# Allegro board TNR_REV00_150306.brd (continued)
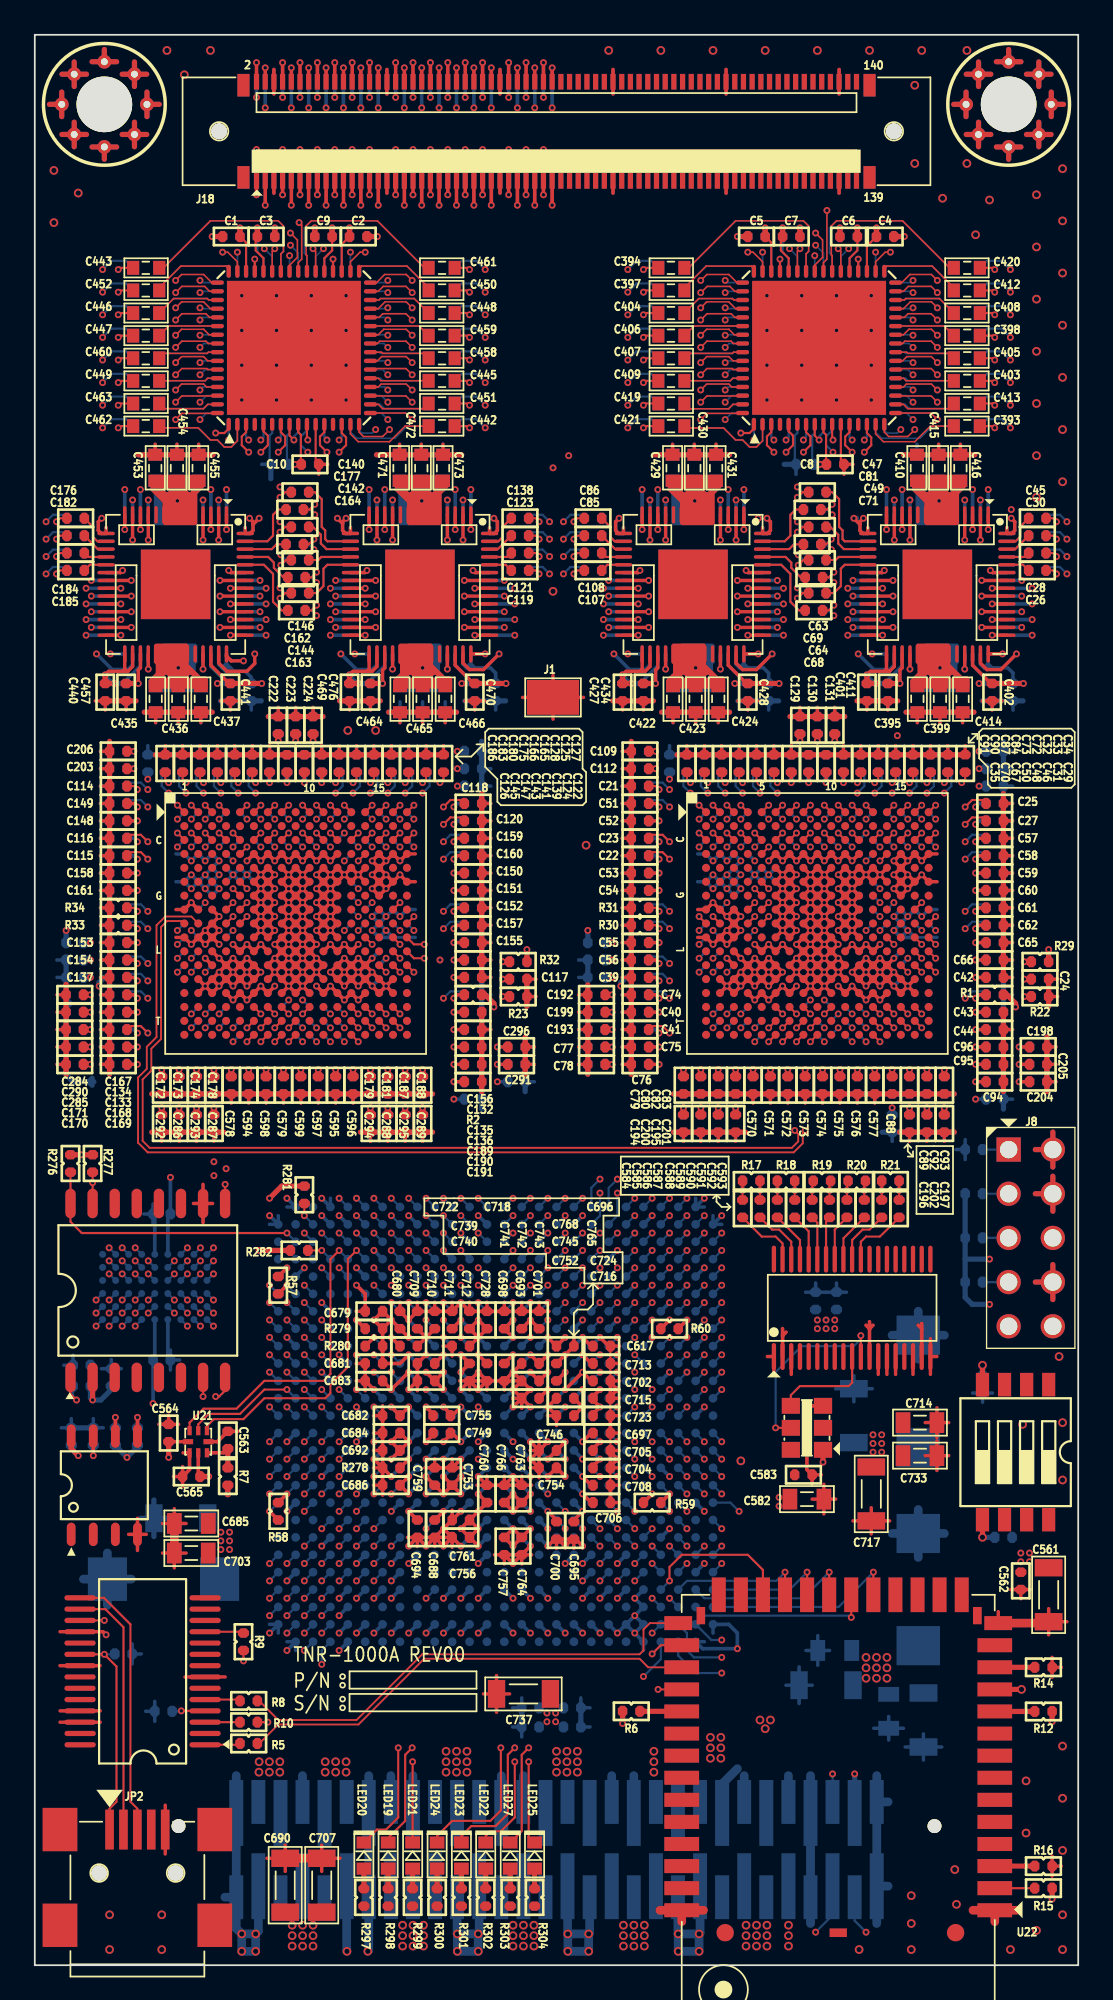
[diagram p0: board, top side]
## Routing (per net, layer and track width the routed paths; a pad name or vN(x,y) marks a point on that pad's centre or on a via; arc(x,y) is an arc through that point) (continued)
+A1P8: length 50.2
  TOP w0.125: C133.1 5.5,54 6.1,54 v1(6.5,53.6) ; C41.1 35.5,54 36.1,54 v1(36.5,53.6)
  TOP w0.2: C137.1 5.7,56.8 v1(5.9,56.6) ; C44.1 v1(54.1,53.8) ; C42.1 v1(54.1,56.8) ; C134.1 v1(5.9,54.8) ; C43.1 v1(54.1,54.8) ; C132.1 v1(24.1,56.8) ; C40.1 v1(35.9,54.8) ; C135.1 v1(24.1,54.8) ; C39.1 35.7,56.8 v1(35.9,56.6) ; C136.1 v1(24.1,53.8)
  TOP w0.21: U6.L11 v1(47,58.7) U6.L12 v1(47.8,58.7) U6.L13 v1(48.6,58.7) ; v1(41.4,58.7) U6.L5 v1(42.2,58.7) U6.L6 v1(43,58.7) U6.L7 ; U8.L7 v1(13,58.7) U8.L6 v1(12.2,58.7) U8.L5 v1(11.4,58.7) ; v1(18.6,58.7) U8.L13 v1(17.8,58.7) U8.L12 v1(17,58.7) U8.L11
  TOP w0.3: v1(26.4,55.1) 26.4,55.3 25.9,55.8 R2.2 25.62,55.8 ; 55.62,55.8 R1.2 55.9,55.8 56.4,55.3 v1(56.4,55.1) ; R29.2 v1(58.3,58.4) ; R32.2 v1(28.3,58.4)
  BOTTOM w0.125: 35.5,58 C319.1 ; 35.5,58 35.42,58 35.23,57.8 ; 35.5,58 36.1,58 v1(36.5,57.6) ; v1(6.5,55.6) 6.1,56 5.5,56 C226.1 ; 5.22,57.8 5.42,58 5.5,58 ; 5.5,58 6.1,58 v1(6.5,57.6) ; 5.5,58 C227.1 ; v1(36.5,55.6) 36.1,56 35.5,56 C318.1
  BOTTOM w0.2: v1(54.1,54.8) C43.1 ; v1(54.1,53.8) C44.1 ; v1(24.1,53.8) C136.1 ; v1(24.1,54.8) C135.1 ; v1(54.1,56.8) C42.1 ; v1(35.9,54.8) C40.1 ; v1(5.9,54.8) C134.1 ; v1(24.1,56.8) C132.1
  BOTTOM w0.21: U8.L11 v1(17,58.7) U8.L12 v1(17.8,58.7) U8.L13 v1(18.6,58.7) ; U6.L11 v1(47,58.7) U6.L12 v1(47.8,58.7) U6.L13 v1(48.6,58.7) ; U8.L7 v1(13,58.7) U8.L6 v1(12.2,58.7) U8.L5 v1(11.4,58.7) ; U6.L7 v1(43,58.7) U6.L6 v1(42.2,58.7) U6.L5 v1(41.4,58.7)
  BOTTOM w0.3: 34.38,56.8 R4.2 34,56.8 33.7,56.5 v1(33.7,56.3) ; R35.2 v1(1.8,59.5) ; R26.2 v1(31.8,59.5) ; 4.38,56.8 R3.2 4,56.8 3.7,56.5 v1(3.7,56.3)
  vias: v2(35.6,12.3) v2(35.6,11.7) v2(35.6,11.1) v2(38.85,13.1) v2(38.85,12.5) v2(38.85,11.9) v2(39.45,13.1) v2(39.45,12.5) v2(39.45,11.9)
+A1P9: length 186.9
  TOP w0.2: C152.1 24.3,60.8 v1(24.1,60.6) ; C56.1 35.7,57.8 v1(35.9,57.6) ; v1(54.1,60.6) 54.3,60.8 C61.1 ; v1(24.1,64.6) 24.3,64.8 C159.1 ; C54.1 v1(35.9,61.8) ; C57.1 54.3,64.8 v1(54.1,64.6) ; v1(5.9,58.8) C153.1 ; v1(54.1,63.6) 54.3,63.8 C58.1 ; C60.1 v1(54.1,61.8) ; v1(54.1,62.8) C59.1 ; v1(54.1,59.6) 54.3,59.8 C62.1 ; C51.1 35.7,66.8 v1(35.9,66.6) ; C154.1 5.7,57.8 v1(5.9,57.6) ; v1(24.1,58.8) C155.1 ; C52.1 v1(35.9,65.8) ; v1(24.1,62.8) C150.1 ; C160.1 24.3,63.8 v1(24.1,63.6) ; C149.1 5.7,66.8 v1(5.9,66.6) ; C151.1 v1(24.1,61.8) ; v1(54.1,58.8) C65.1 ; v1(35.9,62.8) C53.1 ; v1(5.9,62.8) C158.1 ; C148.1 v1(5.9,65.8) ; C157.1 24.3,59.8 v1(24.1,59.6) ; C156.1 v1(24.1,57.8) ; C161.1 v1(5.9,61.8) ; v1(35.9,58.8) C55.1 ; C66.1 v1(54.1,57.8)
  TOP w0.21: v1(43,59.5) U6.K7 v1(43.8,59.5) U6.J7 ; v1(43,59.5) U6.J6 v1(43,60.3) ; v1(43,59.5) U6.J7 ; v1(43,59.5) U6.K6 ; v1(17,60.3) U8.J11 ; v1(17,60.3) U8.J12 v1(17,59.5) ; v1(17,60.3) U8.H12 v1(17,61.1) ; v1(17,60.3) U8.H11 ; U8.J11 v1(16.2,60.3) U8.H11 ; U8.J11 v1(16.2,59.5) U8.K11 v1(17,59.5) ; U8.J11 v1(17,59.5) ; v1(47,60.3) U6.H12 v1(47,61.1) ; v1(47,60.3) U6.J11 ; v1(47,60.3) U6.H11 ; v1(47,60.3) U6.J12 v1(47,59.5) ; U6.F7 v1(43,61.9) ; U6.F7 v1(43,62.7) ; U6.F7 v1(43.8,61.9) U6.G7 ; U6.F7 v1(43.8,62.7) U6.E7 v1(43,62.7) ; v1(43,61.9) U6.G6 v1(43,61.1) ; v1(43,61.9) U6.G7 ; v1(43,61.9) U6.F6 v1(43,62.7) ; U6.J11 v1(46.2,60.3) U6.H11 ; U6.J11 v1(46.2,59.5) U6.K11 v1(47,59.5) ; U6.J11 v1(47,59.5) ; v1(48.6,62.7) U6.F13 v1(47.8,62.7) ; v1(48.6,62.7) U6.E13 v1(47.8,62.7) ; v1(48.6,62.7) U6.E14 ; v1(48.6,62.7) U6.F14 ; v1(17,61.1) U8.H11 ; v1(17,61.1) U8.G12 v1(17,61.9) ; v1(17,61.1) U8.G11 ; U8.H11 v1(16.2,61.1) U8.G11 ; U8.F14 v1(18.6,62.7) ; v1(18.6,62.7) U8.F13 v1(17.8,62.7) ; v1(18.6,62.7) U8.E14 ; v1(18.6,62.7) U8.E13 v1(17.8,62.7) ; v1(13,61.1) U8.G6 v1(13,61.9) ; v1(13,61.1) U8.G7 ; v1(13,61.1) U8.H6 v1(13,60.3) ; v1(13,61.1) U8.H7 ; v1(47,59.5) U6.K12 ; U6.G11 v1(46.2,61.9) U6.F11 ; U6.G11 v1(47,61.9) ; U6.G11 v1(47,61.1) ; U6.G11 v1(46.2,61.1) U6.H11 ; U8.G7 v1(13.8,61.9) U8.F7 ; U8.G7 v1(13,61.9) ; U8.G7 v1(13.8,61.1) U8.H7 ; U6.H7 v1(43.8,60.3) U6.J7 ; U6.H7 v1(43.8,61.1) U6.G7 ; U6.H7 v1(43,60.3) ; U6.H7 v1(43,61.1) ; U6.G7 v1(43,61.1) ; U6.J7 v1(43,60.3) ; v1(13,62.7) U8.E7 v1(13.8,62.7) U8.F7 ; v1(13,62.7) U8.F7 ; v1(13,62.7) U8.F6 v1(13,61.9) ; v1(13,62.7) U8.E6 ; U8.F7 v1(13,61.9) ; v1(17,62.7) U8.F11 ; v1(17,62.7) U8.E11 v1(16.2,62.7) U8.F11 ; v1(17,62.7) U8.E12 v1(17.8,62.7) ; v1(17,62.7) U8.F12 ; U8.F11 v1(16.2,61.9) U8.G11 ; U8.F11 v1(17,61.9) ; U8.G11 v1(17,61.9) ; v1(43,61.1) U6.H6 v1(43,60.3) ; v1(17,59.5) U8.K12 ; v1(47,62.7) U6.E12 v1(47.8,62.7) ; v1(47,62.7) U6.F11 ; v1(47,62.7) U6.F12 ; v1(47,62.7) U6.E11 v1(46.2,62.7) U6.F11 ; v1(13,60.3) U8.J6 v1(13,59.5) ; v1(13,60.3) U8.H7 ; v1(13,60.3) U8.J7 ; U6.H11 v1(47,61.1) ; v1(17.8,62.7) U8.F12 ; v1(47.8,62.7) U6.F12 ; U8.H7 v1(13.8,60.3) U8.J7 ; v1(17,61.9) U8.F12 ; v1(47,61.1) U6.G12 v1(47,61.9) ; U6.F11 v1(47,61.9) ; v1(47,61.9) U6.F12 ; U8.J7 v1(13,59.5) ; U8.J7 v1(13.8,59.5) U8.K7 v1(13,59.5) ; v1(13,59.5) U8.K6 ; v1(43,62.7) U6.E6
  BOTTOM w0.125: C244.1 5.5,60 6.1,60 v1(6.5,59.6) ; v1(36.5,59.6) 36.1,60 35.5,60 C334.1 ; C239.1 5.5,61 6.1,61 v1(6.5,60.6) ; v1(36.5,60.6) 36.1,61 35.5,61 C336.1
  BOTTOM w0.2: C158.1 v1(5.9,62.8) ; C53.1 v1(35.9,62.8) ; v1(35.9,63.6) 35.7,63.8 C333.1 ; v1(35.9,65.8) C52.1 ; v1(54.1,65.6) 54.3,65.8 C342.1 ; C254.1 24.3,66.8 v1(24.1,66.6) ; C335.1 35.7,64.8 v1(35.9,64.6) ; v1(5.9,63.6) 5.7,63.8 C238.1 ; v1(35.9,61.8) C54.1 ; C339.1 54.3,66.8 v1(54.1,66.6) ; v1(24.1,61.8) C151.1 ; C150.1 v1(24.1,62.8) ; C241.1 24.3,65.8 v1(24.1,65.6) ; v1(5.9,65.8) C148.1 ; C245.1 5.7,64.8 v1(5.9,64.6) ; C59.1 v1(54.1,62.8) ; v1(24.1,57.8) C156.1 ; v1(54.1,57.8) C66.1 ; v1(54.1,61.8) C60.1 ; v1(5.9,61.8) C161.1 ; C55.1 v1(35.9,58.8) ; C153.1 v1(5.9,58.8) ; C65.1 v1(54.1,58.8) ; C155.1 v1(24.1,58.8)
  BOTTOM w0.21: v1(17,61.1) U8.G12 v1(17,61.9) ; v1(17,61.1) U8.G11 ; v1(17,61.1) U8.H12 v1(17,60.3) ; v1(17,61.1) U8.H11 ; v1(11.4,62.7) U10.F13 v1(12.2,62.7) ; v1(11.4,62.7) U10.E14 ; v1(11.4,62.7) U10.F14 ; v1(11.4,62.7) U10.E13 v1(12.2,62.7) ; v1(13,60.3) U8.H7 ; v1(13,60.3) U8.J7 ; v1(13,60.3) U8.H6 v1(13,61.1) ; v1(13,60.3) U8.J6 v1(13,59.5) ; U8.H7 v1(13.8,60.3) ; U8.H7 v1(13.8,61.1) U8.G7 ; U8.H7 v1(13,61.1) ; U6.G11 v1(46.2,61.9) U6.F11 ; U6.G11 v1(47,61.1) ; U6.G11 v1(47,61.9) ; U6.G11 v1(46.2,61.1) U6.H11 ; U11.F14 v1(41.4,62.7) ; v1(41.4,62.7) U11.F13 v1(42.2,62.7) ; v1(41.4,62.7) U11.E14 ; v1(41.4,62.7) U11.E13 v1(42.2,62.7) ; v1(13,59.5) U8.K6 ; v1(13,59.5) U8.J7 ; v1(13,59.5) U8.K7 ; v1(17,60.3) U8.J11 ; v1(17,60.3) U8.J12 v1(17,59.5) ; v1(17,60.3) U8.H11 ; U8.J11 v1(17,59.5) ; U8.J11 v1(16.2,59.5) ; U8.J11 v1(16.2,60.3) U8.H11 ; v1(17,59.5) U8.K11 ; v1(17,59.5) U8.K12 ; v1(13,61.9) U8.G6 v1(13,61.1) ; v1(13,61.9) U8.F7 ; v1(13,61.9) U8.G7 ; v1(13,61.9) U8.F6 ; U6.F6 v1(42.2,62.7) ; U6.F6 v1(43,62.7) ; U6.F6 v1(43,61.9) ; v1(42.2,62.7) U6.E6 v1(43,62.7) ; U6.F7 v1(43.8,61.9) U6.G7 ; U6.F7 v1(43,61.9) ; U6.F7 v1(43,62.7) ; U6.F7 v1(43.8,62.7) ; v1(13,62.7) U8.F6 ; v1(13,62.7) U8.F7 ; v1(13,62.7) U8.E6 v1(12.2,62.7) ; v1(13,62.7) U8.E7 ; U8.F6 v1(12.2,62.7) ; U8.F7 v1(13.8,62.7) ; U8.F7 v1(13.8,61.9) U8.G7 ; v1(43,59.5) U6.K7 ; v1(43,59.5) U6.J6 v1(43,60.3) ; v1(43,59.5) U6.K6 ; v1(43,59.5) U6.J7 ; U6.H11 v1(47,61.1) ; U6.H11 v1(46.2,60.3) U6.J11 ; U6.H11 v1(47,60.3) ; v1(47,61.1) U6.G12 v1(47,61.9) ; v1(47,61.1) U6.H12 v1(47,60.3) ; v1(43,60.3) U6.J7 ; v1(43,60.3) U6.H6 v1(43,61.1) ; v1(43,60.3) U6.H7 ; U6.J7 v1(43.8,59.5) ; v1(47,59.5) U6.J12 v1(47,60.3) ; v1(47,59.5) U6.K11 ; v1(47,59.5) U6.J11 ; v1(47,59.5) U6.K12 ; U8.J7 v1(13.8,59.5) ; U6.H7 v1(43.8,60.3) ; U6.H7 v1(43,61.1) ; U6.H7 v1(43.8,61.1) U6.G7 ; v1(17,61.9) U8.F11 ; v1(17,61.9) U8.F12 v1(17,62.7) ; v1(17,61.9) U8.G11 ; U6.G7 v1(43,61.9) ; U6.G7 v1(43,61.1) ; U6.J11 v1(46.2,59.5) ; U6.J11 v1(47,60.3) ; U8.G11 v1(16.2,61.9) U8.F11 ; U8.G11 v1(16.2,61.1) U8.H11 ; U8.F11 v1(17,62.7) ; U8.F11 v1(16.2,62.7) ; v1(43,62.7) U6.E7 ; v1(13,61.1) U8.G7 ; v1(46.2,62.7) U6.F11 ; U6.F11 v1(47,61.9) ; U6.F11 v1(47,62.7) ; v1(43,61.1) U6.G6 v1(43,61.9) ; U8.E12 v1(17,62.7) ; v1(17,62.7) U8.E11 ; v1(47,62.7) U6.F12 v1(47,61.9) ; v1(47,62.7) U6.E12 ; v1(47,62.7) U6.E11
  vias: v2(30,12.3) v2(30,11.7) v2(30,11.1) v2(30.6,12.3) v2(30.6,11.7) v2(30.6,11.1) v2(31.2,12.3) v2(31.2,11.7) v2(31.2,11.1)
+A3P3: length 203.2
  TOP w0.125: C10.1 15.3,86.33 15.3,88 15.15,88.15 U2.9 ; U1.9 45.35,88.15 45.5,88 45.5,86.33 C8.1
  TOP w0.2: 5.1,74.4 5.25,74.4 ; 5.1,74.4 5.05,74.4 ; 5.1,74.4 5.17,74.47 ; 5.25,74.4 5.17,74.47 ; 5.25,74.4 5.35,74.4 5.62,74.67 U15.30 ; 49.05,74.4 49.15,74.4 49.42,74.67 U13.30 ; 49.05,74.4 48.98,74.47 ; 49.05,74.4 48.9,74.4 ; 48.98,74.47 48.9,74.4 ; 48.98,74.47 48.98,74.53 ; 48.9,74.4 48.85,74.4 ; 5.05,74.4 5.17,74.53 ; 5.05,74.4 4.25,74.4 v1(4.05,74.2) ; U13.29 48.98,74.53 ; 48.98,74.53 48.85,74.4 ; 48.85,74.4 48.05,74.4 v1(47.85,74.2) ; C428.1 40.92,73.7 39.88,74.75 U14.40 ; 5.17,74.47 5.17,74.53 ; 34.92,74.47 35,74.4 ; 34.92,74.47 34.85,74.4 ; 34.92,74.47 34.92,74.53 ; 35,74.4 34.85,74.4 ; 35,74.4 35.1,74.4 35.38,74.67 U14.30 ; 19.23,74.47 19.3,74.4 ; 19.23,74.47 19.15,74.4 ; 19.23,74.47 19.23,74.53 ; 19.3,74.4 19.4,74.4 19.68,74.67 19.68,75.4 ; 19.3,74.4 19.15,74.4 ; v1(18.1,74.2) 18.3,74.4 19.1,74.4 ; 24.18,75.4 24.18,74.75 25.23,73.7 C470.1 ; C127.1 v1(15.5,68) ; 19.1,74.4 19.15,74.4 ; 19.1,74.4 19.23,74.53 ; C128.1 v1(13.5,68) ; 34.85,74.4 34.8,74.4 ; C126.1 v1(16.5,68) ; 5.17,74.53 U15.29 ; C125.1 v1(14.5,68) ; C34.1 v1(45.5,68) ; 34.8,74.4 34.92,74.53 ; 34.8,74.4 34,74.4 v1(33.8,74.2) ; C32.1 v1(43.5,68) ; C35.1 v1(46.5,68) ; U15.40 10.12,74.75 11.18,73.7 C441.1 ; 34.92,74.53 34.92,75.4 ; U16.29 19.23,74.53 ; U13.40 53.92,74.75 54.98,73.7 C402.1 ; C33.1 v1(44.5,68)
  TOP w0.21: U6.D12 v1(47,63.5) U6.D11 v1(46.2,63.5) U6.D10 v1(45.4,63.5) U6.D9 v1(44.6,63.5) U6.D8 v1(43.8,63.5) U6.D7 v1(43,63.5) U6.D6 v1(42.2,63.5) ; U8.D12 v1(17,63.5) U8.D11 v1(16.2,63.5) U8.D10 v1(15.4,63.5) U8.D9 v1(14.6,63.5) U8.D8 v1(13.8,63.5) U8.D7 v1(13,63.5) U8.D6 v1(12.2,63.5)
  TOP w0.3: v1(45.15,86.3) C8.1 ; C441.1 v1(13.05,73.7) ; v1(4.05,74.2) C440.1 v1(4.55,73.7) ; v1(14,70.4) C222.1 ; v1(16,70.4) C224.1 ; C130.1 v1(45,70.4) ; v1(14.95,86.3) C10.1 ; C402.1 v1(56.85,73.7) ; v1(18.6,73.7) C469.1 v1(18.1,74.2) ; C470.1 v1(27.1,73.7) ; v1(44,70.4) C129.1 ; C223.1 v1(15,70.4) ; v1(48.35,73.7) C401.1 v1(47.85,74.2) ; v1(46,70.4) C131.1 ; v1(34.3,73.7) C427.1 v1(33.8,74.2) ; C428.1 v1(42.8,73.7) ; 45.33,29.64 v1(45.33,28.93)
  5-PWR w0.3: v1(12.2,63.5) v1(13,63.5) v1(13.8,63.5) v1(14.6,63.5) v1(15.4,63.5) v1(16.2,63.5) v1(17,63.5) ; v1(42.2,63.5) v1(43,63.5) v1(43.8,63.5) v1(44.6,63.5) v1(45.4,63.5) v1(46.2,63.5) v1(47,63.5) ; v1(47.85,74.2) v1(48.35,73.7) ; v1(47.85,74.2) 47.35,73.7 ; v1(47.85,74.2) 47.85,73.65 ; v1(18.1,74.2) v1(18.6,73.7) ; v1(18.1,74.2) C469.1 ; v1(18.1,74.2) 17.6,73.7 ; v1(33.8,74.2) 33.25,73.65 ; v1(33.8,74.2) v1(34.3,73.7) ; v1(33.8,74.2) 33.8,73.5
  6-IN w0.3: v1(13.05,73.7) 14.95,75.6 v1(14.95,86.3) ; 48.85,74.2 51.2,76.55 51.2,82.9 50.7,83.4 49,83.4 47.2,85.2 46.8,85.2 45.7,86.3 v1(45.15,86.3) ; 48.85,74.2 v1(47.85,74.2) v1(48.35,73.7) 48.85,74.2
  6-IN w0.5: 4.05,72.85 v1(4.05,74.2) v1(4.55,73.7) 4.55,72.35 ; 4.05,72.85 4.05,72.45 4.6,71.9 12.9,71.9 C222.1 v1(14,70.4) 14.8,70.4 ; 4.05,72.85 4.55,72.35 ; 14.8,70.4 13.05,72.15 4.75,72.15 4.55,72.35 ; 14.8,70.4 v1(15,70.4) v1(16,70.4)
  BOTTOM w0.125: C15.1 14.5,86.38 14.5,87.95 14.65,88.1 U3.9 ; C20.1 44.7,86.38 44.7,87.95 44.85,88.1 U4.9
  BOTTOM w0.2: U18.30 10.57,74.8 10.78,74.6 ; 40.52,74.6 41,74.6 ; 40.52,74.6 40.33,74.8 U19.30 ; 40.52,74.6 40.75,74.83 40.77,74.83 41,74.6 ; 41,74.6 41.9,74.6 42.2,74.3 C525.1 ; 25.07,74.83 25.05,74.83 24.82,74.6 ; 25.07,74.83 25.3,74.6 ; 25.07,74.83 U17.29 ; 10.78,74.6 11.25,74.6 ; 10.78,74.6 11,74.83 11.03,74.83 ; 10.78,74.6 10.97,74.4 11.45,74.4 ; 11.25,74.6 11.45,74.4 ; 11.25,74.6 11.03,74.83 ; 11.03,74.83 U18.29 ; C511.1 12.45,74.05 12.1,74.4 11.45,74.4 ; U20.29 54.83,74.83 ; 54.83,74.83 55.05,74.6 ; 54.83,74.83 54.8,74.83 54.58,74.6 ; C481.1 26.5,74.3 26.2,74.6 25.3,74.6 ; 55.05,74.6 55.95,74.6 56.25,74.3 C554.1 ; 55.05,74.6 54.58,74.6 ; 25.3,74.6 24.82,74.6 ; 54.58,74.6 54.38,74.8 U20.30 ; 24.82,74.6 24.62,74.8 U17.30 ; U17.40 20.12,74.72 19.3,73.9 C495.1 ; C524.1 35,73.9 35.83,74.72 U19.40 ; 6.08,75.4 6.08,74.72 5.25,73.9 C512.1 ; U20.40 49.88,74.72 49.05,73.9 C553.1
  BOTTOM w0.21: v1(12.2,63.5) U8.D6 v1(13,63.5) U8.D7 v1(13.8,63.5) U8.D8 v1(14.6,63.5) U8.D9 v1(15.4,63.5) U8.D10 v1(16.2,63.5) U8.D11 v1(17,63.5) U8.D12 ; 40.75,74.83 40.77,74.85 U19.29 ; v1(42.2,63.5) U6.D6 v1(43,63.5) U6.D7 v1(43.8,63.5) U6.D8 v1(44.6,63.5) U6.D9 v1(45.4,63.5) U6.D10 v1(46.2,63.5) U6.D11 v1(47,63.5) U6.D12
  BOTTOM w0.3: v1(4.05,74.2) 4.05,74.1 4.45,73.7 v1(4.55,73.7) C512.1 ; C524.1 v1(34.3,73.7) 34.2,73.7 33.8,74.1 v1(33.8,74.2) ; C553.1 v1(48.35,73.7) 48.25,73.7 47.85,74.1 v1(47.85,74.2) ; C34.1 v1(45.5,68) ; C128.1 v1(13.5,68) ; C495.1 v1(18.6,73.7) 18.5,73.7 18.1,74.1 v1(18.1,74.2) ; C33.1 v1(44.5,68) ; v1(45,70.4) C130.1 ; C222.1 v1(14,70.4) ; v1(13.05,73.7) C511.1 ; v1(56.85,73.7) C554.1 ; C129.1 v1(44,70.4) ; C224.1 v1(16,70.4) ; v1(14.95,86.3) C15.1 ; C35.1 v1(46.5,68) ; C32.1 v1(43.5,68) ; C127.1 v1(15.5,68) ; v1(15,70.4) C223.1 ; v1(27.1,73.7) C481.1 ; C131.1 v1(46,70.4) ; C125.1 v1(14.5,68) ; v1(42.8,73.7) C525.1 ; C126.1 v1(16.5,68) ; v1(45.15,86.3) C20.1
  vias: v1(42.8,26.9) v1(42.8,26.4) v2(23.65,12.3) v2(23.65,11.7) v2(23.65,11.1) v2(24.25,12.3) v2(24.25,11.7) v2(24.25,11.1) v2(24.85,12.3) v2(24.85,11.7) v2(24.85,11.1)
+D1P2: length 188.6
  TOP w0.2: v1(5.9,52.8) C168.1 ; v1(56.6,52.8) C198.1 ; C290.1 v1(3.2,54.8) ; C78.1 v1(33.2,51.8) ; v1(5.9,55.6) 5.7,55.8 C167.1 ; C76.1 v1(35.9,51.8) ; C170.1 v1(3.2,51.8) ; v1(35.9,55.6) 35.7,55.8 C74.1 ; v1(26.6,51.8) C291.1 ; v1(26.6,52.8) C296.1 ; C77.1 v1(33.2,52.8) ; C204.1 v1(56.6,50.8) ; C171.1 v1(3.2,52.8) ; v1(24.1,52.8) C189.1 ; C199.1 v1(33.2,54.8) ; v1(24.1,51.8) C190.1 ; v1(54.1,52.8) C96.1 ; C193.1 v1(33.2,53.8) ; C169.1 v1(5.9,51.8) ; C192.1 v1(33.2,55.8) ; v1(35.9,52.8) C75.1 ; v1(24.1,50.8) C191.1 ; v1(54.1,51.8) C95.1 ; v1(56.6,51.8) C205.1 ; v1(54.1,50.8) C94.1 ; C285.1 v1(3.2,53.8) ; C284.1 v1(3.2,55.8)
  TOP w0.21: U8.M6 v1(12.2,57.9) U8.M5 ; U8.M6 v1(13,57.1) U8.N6 ; U8.M6 v1(12.2,57.1) ; U6.N4 v1(40.6,57.1) ; U6.N4 v1(41.4,56.3) U6.N5 ; U6.N4 v1(40.6,56.3) ; U6.N4 v1(41.4,57.1) ; v1(40.6,57.1) U6.N3 ; v1(40.6,57.1) U6.M4 ; v1(39.8,56.3) U6.N3 ; v1(39.8,56.3) U6.N2 ; v1(39.8,56.3) U6.P3 v1(40.6,56.3) ; v1(39.8,56.3) U6.P2 ; U6.N3 v1(40.6,56.3) ; U6.N12 v1(47,57.1) U6.M12 ; U6.N12 v1(47.8,57.1) ; U6.N12 v1(47.8,56.3) U6.N13 ; U8.N2 v1(9.8,56.3) ; v1(9.8,56.3) U8.N3 ; v1(9.8,56.3) U8.P3 v1(10.6,56.3) ; v1(9.8,56.3) U8.P2 ; U8.N14 v1(18.6,56.3) U8.N13 ; U8.N14 v1(18.6,57.1) ; U8.N14 v1(19.4,56.3) U8.P15 v1(20.2,56.3) ; U8.N14 v1(19.4,57.1) ; v1(17.8,57.1) U8.N12 ; v1(17.8,57.1) U8.N13 ; v1(17.8,57.1) U8.M12 ; v1(17.8,57.1) U8.M13 ; U8.N12 v1(17,57.1) U8.M12 ; U8.N12 v1(17.8,56.3) U8.N13 ; U6.M13 v1(48.6,57.9) U6.M14 ; U6.M13 v1(47.8,57.1) ; U6.M13 v1(48.6,57.1) ; U6.M13 v1(47.8,57.9) U6.M12 ; U6.N5 v1(41.4,57.1) ; U6.N5 v1(42.2,57.1) ; U6.N5 v1(42.2,56.3) U6.N6 ; v1(41.4,57.1) U6.M4 ; v1(41.4,57.1) U6.M5 ; U8.M12 v1(17.8,57.9) U8.M13 ; U6.N16 v1(50.2,56.3) ; v1(50.2,56.3) U6.P15 v1(49.4,56.3) U6.N14 ; v1(50.2,56.3) U6.N15 v1(49.4,57.1) ; v1(50.2,56.3) U6.P16 ; U8.N6 v1(12.2,56.3) U8.N5 ; U8.N6 v1(12.2,57.1) ; U8.N13 v1(18.6,57.1) ; U8.N5 v1(11.4,57.1) ; U8.N5 v1(11.4,56.3) U8.N4 ; U8.N5 v1(12.2,57.1) ; v1(11.4,57.1) U8.M4 ; v1(11.4,57.1) U8.N4 ; v1(11.4,57.1) U8.M5 ; U8.L3 v1(10.6,57.9) U8.M4 ; U8.N4 v1(10.6,57.1) ; U8.N4 v1(10.6,56.3) ; v1(48.6,57.1) U6.N13 ; v1(48.6,57.1) U6.M14 ; v1(48.6,57.1) U6.N14 ; U6.N13 v1(48.6,56.3) U6.N14 ; U6.N13 v1(47.8,57.1) ; U8.M5 v1(12.2,57.1) ; U8.M5 v1(11.4,57.9) U8.M4 ; U8.M13 v1(18.6,57.1) ; U8.M13 v1(18.6,57.9) U8.M14 ; v1(18.6,57.1) U8.M14 ; U6.M4 v1(41.4,57.9) U6.M5 ; U6.M4 v1(40.6,57.9) U6.L3 ; U6.M6 v1(42.2,57.9) U6.M5 ; U6.M6 v1(42.2,57.1) ; U6.M6 v1(43,57.1) U6.N6 ; U8.N3 v1(10.6,57.1) ; U8.N3 v1(10.6,56.3) ; v1(10.6,57.1) U8.M4 ; v1(47.8,57.1) U6.M12 ; U6.N6 v1(42.2,57.1) ; U6.M5 v1(42.2,57.1) ; U6.N14 v1(49.4,57.1) ; v1(49.4,57.1) U6.M14 ; U8.M14 v1(19.4,57.1) ; U8.M14 v1(19.4,57.9) ; v1(19.4,57.1) U8.N15 v1(20.2,56.3) ; U6.M14 v1(49.4,57.9) ; U8.P16 v1(20.2,56.3) ; v1(20.2,56.3) U8.N16
  TOP w0.3: v1(52.3,51.5) C93.1 ; v1(52.3,49.3) C197.1 ; v1(20.3,49.3) C288.1 ; v1(50.3,49.3) C196.1 ; v1(19.3,49.3) C294.1 ; v1(10.3,51.5) C178.1 ; v1(8.3,49.3) C286.1 ; v1(22.3,49.3) C289.1 ; v1(21.3,51.5) C187.1 ; v1(21.3,49.3) C295.1 ; v1(9.3,49.3) C293.1 ; v1(20.3,51.5) C181.1 ; v1(22.3,51.5) C188.1 ; v1(40.3,51.5) C83.1 ; v1(37.3,51.5) C79.1 ; v1(39.3,49.3) C195.1 ; v1(38.3,49.3) C200.1 ; v1(37.3,49.3) C194.1 ; v1(51.3,51.5) C92.1 ; v1(40.3,49.3) C201.1 ; v1(10.3,49.3) C287.1 ; v1(7.3,51.5) C172.1 ; v1(38.3,51.5) C80.1 ; v1(39.3,51.5) C82.1 ; v1(8.3,51.5) C173.1 ; v1(9.3,51.5) C174.1 ; v1(49.3,51.5) C88.1 ; v1(19.3,51.5) C179.1 ; v1(7.3,49.3) C292.1 ; v1(50.3,51.5) C89.1 ; v1(51.3,49.3) C202.1
  BOTTOM w0.125: v1(53.5,55.6) 53.9,56 54.5,56 C374.1 ; v1(23.5,55.6) 23.9,56 24.5,56 C265.1
  BOTTOM w0.2: C78.1 v1(33.2,51.8) ; C291.1 v1(26.6,51.8) ; C77.1 v1(33.2,52.8) ; C168.1 v1(5.9,52.8) ; C171.1 v1(3.2,52.8) ; C204.1 v1(56.6,50.8) ; C364.1 v1(54.1,49.8) ; C285.1 v1(3.2,53.8) ; v1(35.9,53.6) 35.7,53.8 C361.1 ; C205.1 v1(56.6,51.8) ; C75.1 v1(35.9,52.8) ; C189.1 v1(24.1,52.8) ; v1(5.9,51.8) C169.1 ; C190.1 v1(24.1,51.8) ; C198.1 v1(56.6,52.8) ; C262.1 5.7,53.8 v1(5.9,53.6) ; C280.1 v1(24.1,49.8) ; C95.1 v1(54.1,51.8) ; C96.1 v1(54.1,52.8) ; C103.1 v1(26.6,50.8) ; C94.1 v1(54.1,50.8) ; C191.1 v1(24.1,50.8) ; C193.1 v1(33.2,53.8) ; C170.1 v1(3.2,51.8) ; v1(35.9,51.8) C76.1 ; C296.1 v1(26.6,52.8)
  BOTTOM w0.21: v1(18.6,57.1) U8.N13 ; v1(18.6,57.1) U8.M14 ; v1(18.6,57.1) U8.N14 ; v1(18.6,57.1) U8.M13 ; U8.N13 v1(17.8,56.3) U8.N12 ; U8.N13 v1(17.8,57.1) ; U8.N13 v1(18.6,56.3) U8.N14 ; U8.M6 v1(12.2,57.9) U8.M5 ; U8.M6 v1(13,57.1) U8.N6 ; U8.M6 v1(12.2,57.1) ; v1(40.6,57.1) U6.N4 ; v1(40.6,57.1) U6.N3 ; v1(40.6,57.1) U6.M4 ; U6.N4 v1(41.4,57.1) ; U6.N4 v1(40.6,56.3) ; U6.N4 v1(41.4,56.3) U6.N5 ; U8.N4 v1(11.4,56.3) U8.N5 ; U8.N4 v1(10.6,57.1) ; U8.N4 v1(11.4,57.1) ; U8.N4 v1(10.6,56.3) ; U8.N5 v1(11.4,57.1) ; U8.N5 v1(12.2,56.3) U8.N6 ; U8.N5 v1(12.2,57.1) ; U8.M13 v1(17.8,57.9) U8.M12 ; U8.M13 v1(18.6,57.9) U8.M14 ; U8.M13 v1(17.8,57.1) ; U6.N5 v1(42.2,57.1) ; U6.N5 v1(41.4,57.1) ; U6.N5 v1(42.2,56.3) U6.N6 ; v1(39.8,56.3) U6.P3 v1(40.6,56.3) ; v1(39.8,56.3) U6.N3 ; v1(39.8,56.3) U6.N2 ; v1(39.8,56.3) U6.P2 ; v1(41.4,57.1) U6.M4 ; v1(41.4,57.1) U6.M5 ; U8.N14 v1(19.4,57.1) ; U8.N14 v1(19.4,56.3) ; U8.M14 v1(19.4,57.1) ; U8.M14 v1(19.4,57.9) U10.L3 ; v1(10.6,56.3) U8.P3 v1(9.8,56.3) ; v1(10.6,56.3) U8.N3 ; U6.M12 v1(47.8,57.1) ; U6.M12 v1(47,57.1) U6.N12 ; U6.M12 v1(47.8,57.9) U6.M13 ; v1(47.8,57.1) U6.N13 ; v1(47.8,57.1) U6.M13 ; v1(47.8,57.1) U6.N12 ; U6.N3 v1(40.6,56.3) ; U6.N13 v1(47.8,56.3) U6.N12 ; U6.N13 v1(48.6,57.1) ; U6.N13 v1(48.6,56.3) U6.N14 ; U6.M14 v1(49.4,57.1) ; U6.M14 v1(48.6,57.1) ; U6.M14 v1(49.4,57.9) U11.L3 ; U6.M14 v1(48.6,57.9) U6.M13 ; v1(49.4,57.1) U6.N14 ; v1(49.4,57.1) U6.N15 ; v1(10.6,57.1) U8.N3 ; v1(10.6,57.1) U8.M4 ; U8.N3 v1(9.8,56.3) ; U8.N12 v1(17,57.1) U8.M12 ; U8.N12 v1(17.8,57.1) ; v1(48.6,57.1) U6.M13 ; v1(48.6,57.1) U6.N14 ; U6.M4 v1(41.4,57.9) U6.M5 ; U6.M4 v1(40.6,57.9) ; v1(19.4,56.3) U8.P15 v1(20.2,56.3) ; v1(19.4,56.3) U8.N15 ; U8.M12 v1(17.8,57.1) ; v1(19.4,57.1) U8.N15 ; v1(20.2,56.3) U8.P16 ; v1(20.2,56.3) U8.N16 ; v1(20.2,56.3) U8.N15 ; v1(42.2,57.1) U6.M5 ; v1(42.2,57.1) U6.N6 ; v1(42.2,57.1) U6.M6 ; U8.M5 v1(11.4,57.1) ; U8.M5 v1(11.4,57.9) U8.M4 ; U8.M5 v1(12.2,57.1) ; v1(11.4,57.1) U8.M4 ; U8.M4 v1(10.6,57.9) ; v1(50.2,56.3) U6.P16 ; v1(50.2,56.3) U6.N15 ; v1(50.2,56.3) U6.P15 v1(49.4,56.3) ; v1(50.2,56.3) U6.N16 ; U6.N15 v1(49.4,56.3) ; v1(49.4,56.3) U6.N14 ; v1(9.8,56.3) U8.N2 ; v1(9.8,56.3) U8.P2 ; v1(12.2,57.1) U8.N6 ; U6.N6 v1(43,57.1) U6.M6 ; U6.M5 v1(42.2,57.9) U6.M6
  BOTTOM w0.3: C286.1 v1(8.3,49.3) ; C187.1 v1(21.3,51.5) ; C83.1 v1(40.3,51.5) ; C287.1 v1(10.3,49.3) ; C89.1 v1(50.3,51.5) ; C174.1 v1(9.3,51.5) ; C181.1 v1(20.3,51.5) ; C294.1 v1(19.3,49.3) ; C196.1 v1(50.3,49.3) ; C200.1 v1(38.3,49.3) ; C79.1 v1(37.3,51.5) ; C80.1 v1(38.3,51.5) ; C197.1 v1(52.3,49.3) ; C173.1 v1(8.3,51.5) ; C288.1 v1(20.3,49.3) ; C93.1 v1(52.3,51.5) ; C178.1 v1(10.3,51.5) ; C92.1 v1(51.3,51.5) ; C172.1 v1(7.3,51.5) ; C381.1 v1(49.3,49.3) ; C293.1 v1(9.3,49.3) ; C194.1 v1(37.3,49.3) ; C295.1 v1(21.3,49.3) ; C82.1 v1(39.3,51.5) ; C202.1 v1(51.3,49.3) ; C188.1 v1(22.3,51.5) ; C179.1 v1(19.3,51.5) ; C289.1 v1(22.3,49.3) ; C88.1 v1(49.3,51.5) ; C195.1 v1(39.3,49.3)
  vias: v2(43.34,2.3) v2(43.34,1.7) v2(43.34,1.1)
+D1P2_FPGA: length 59.3
  TOP w0.21: v1(22.5,30.1) 22.9,30.5 C749.1 ; v1(22.5,32.1) 22.9,31.7 C755.1 ; v1(29.5,34.1) C745.1 v1(28.5,34.1) ; C753.1 v1(23.5,27.1) C759.1 v1(22.5,28.1) ; C753.1 v1(23.5,28.1) ; C753.1 v1(24.5,28.1) ; C753.1 v1(24.5,27.1) ; C740.1 v1(23.5,33.1) ; C740.1 v1(22.5,34.1) ; C740.1 v1(23.5,34.1) ; v1(29.5,29.1) C746.1 v1(30.5,30.1) ; C765.1 v1(30.5,34.1) ; v1(25.5,27.1) C760.1 v1(25.5,26.1) C761.1 ; C764.1 v1(27.5,25.1) C757.1 v1(27.5,24.1) C764.1 ; C764.1 v1(28.5,25.1) ; C763.1 v1(27.5,27.1) C766.1 v1(27.5,26.1) C763.1 ; C763.1 v1(28.5,27.1) ; C761.1 v1(25.5,25.1) C756.1 ; C761.1 v1(24.5,25.1) C756.1 ; v1(28.5,35.1) C768.1 v1(29.5,35.1) ; v1(24.5,34.1) C741.1 v1(24.5,35.1) ; C752.1 v1(29.5,33.1) ; C743.1 v1(27.5,35.1) ; C756.1 v1(25.5,24.1) ; C742.1 v1(25.5,35.1) ; C739.1 v1(23.5,35.1) ; v1(29.5,28.1) C754.1 v1(30.5,28.1)
  BOTTOM w0.21: U88.T11 v1(29.5,28.1) ; U88.M16 v1(23.5,33.1) ; U88.W14 v1(25.5,25.1) ; U88.R11 v1(29.5,29.1) ; C760.1 v1(25.5,26.1) ; U88.K16 v1(23.5,35.1) ; U88.N17 v1(22.5,32.1) ; U88.W13 v1(27.5,25.1) ; U88.U12 v1(28.5,27.1) ; U88.T16 v1(23.5,28.1) ; C757.1 v1(27.5,24.1) ; C743.1 v1(27.5,35.1) ; U88.N10 v1(30.5,32.1) ; U88.U13 v1(27.5,27.1) ; U88.P17 v1(22.5,30.1) ; U88.U15 v1(24.5,27.1) ; C761.1 v1(24.5,25.1) ; U88.L16 v1(23.5,34.1) ; U88.P10 v1(30.5,30.1) ; U88.T17 v1(22.5,28.1) ; C752.1 v1(29.5,33.1) ; U88.L15 v1(24.5,34.1) ; U88.U11 v1(29.5,27.1) ; U88.U14 v1(25.5,27.1) ; U88.W12 v1(28.5,25.1) ; C740.1 v1(22.5,34.1) ; C754.1 v1(30.5,28.1) ; U88.T15 v1(24.5,28.1) ; U88.R16 v1(23.5,29.1) ; C742.1 v1(25.5,35.1) ; U88.K12 v1(28.5,35.1) ; U88.Y14 v1(25.5,24.1) ; C765.1 v1(30.5,34.1) ; C753.1 v1(23.5,27.1) ; C766.1 v1(27.5,26.1) ; C768.1 v1(29.5,35.1) ; C745.1 v1(29.5,34.1) ; U88.T12 v1(28.5,28.1) ; C741.1 v1(24.5,35.1) ; U88.L12 v1(28.5,34.1)
  vias: v2(40.9,2.3) v2(40.9,1.7) v2(40.9,1.1) v2(41.5,2.3) v2(41.5,1.7) v2(41.5,1.1) v2(42.1,2.3) v2(42.1,1.7) v2(42.1,1.1) v2(47.8,17.7) v2(47.8,17.1) v2(47.8,16.5) v2(48.4,17.7) v2(48.4,17.1) v2(48.4,16.5) v2(49,17.7) v2(49,17.1) v2(49,16.5)
+D1P8: length 53.8
  TOP w0.21: v1(13.8,56.3) U8.P7 v1(13,56.3) U8.P6 v1(12.2,55.5) U8.P5 v1(11.4,55.5) U8.P4 ; v1(16.2,56.3) U8.P11 v1(17,56.3) U8.P12 v1(17.8,55.5) U8.P13 v1(18.6,55.5) U8.P14 ; U6.P14 v1(48.6,55.5) U6.P13 v1(47.8,55.5) U6.P12 v1(47,56.3) U6.P11 v1(46.2,56.3) ; U6.P4 v1(41.4,55.5) U6.P5 v1(42.2,55.5) U6.P6 v1(43,56.3) U6.P7 v1(43.8,56.3)
  TOP w0.3: v1(15.3,51.5) C599.1 ; v1(16.3,51.5) C597.1 ; v1(11.3,51.5) C578.1 ; v1(18.3,51.5) C596.1 ; v1(14.3,51.5) C579.1 ; v1(41.3,51.5) C570.1 ; v1(17.3,51.5) C595.1 ; v1(43.3,51.5) C572.1 ; v1(42.3,51.5) C571.1 ; v1(46.3,51.5) C575.1 ; v1(44.3,51.5) C573.1 ; v1(45.3,51.5) C574.1 ; v1(48.3,51.5) C577.1 ; v1(12.3,51.5) C594.1 ; v1(13.3,51.5) C598.1 ; v1(47.3,51.5) C576.1
  BOTTOM w0.21: U6.P4 v1(41.4,55.5) U6.P5 v1(42.2,55.5) U6.P6 v1(43,56.3) U6.P7 v1(43.8,56.3) ; U8.P14 v1(18.6,55.5) U8.P13 v1(17.8,55.5) U8.P12 v1(17,56.3) U8.P11 v1(16.2,56.3) ; v1(13.8,56.3) U8.P7 v1(13,56.3) U8.P6 v1(12.2,55.5) U8.P5 v1(11.4,55.5) U8.P4 ; v1(7.8,45.3) C569.2 7.65,43.05 U25.D6 ; U6.P14 v1(48.6,55.5) U6.P13 v1(47.8,55.5) U6.P12 v1(47,56.3) U6.P11 v1(46.2,56.3) ; v1(6.8,32.3) C568.2 6.9,34.9 U25.E1
  BOTTOM w0.3: C577.1 v1(48.3,51.5) ; C594.1 v1(12.3,51.5) ; C578.1 v1(11.3,51.5) ; C596.1 v1(18.3,51.5) ; C570.1 v1(41.3,51.5) ; C595.1 v1(17.3,51.5) ; C574.1 v1(45.3,51.5) ; C576.1 v1(47.3,51.5) ; C572.1 v1(43.3,51.5) ; C597.1 v1(16.3,51.5) ; C573.1 v1(44.3,51.5) ; C599.1 v1(15.3,51.5) ; C598.1 v1(13.3,51.5) ; C575.1 v1(46.3,51.5) ; C571.1 v1(42.3,51.5) ; C579.1 v1(14.3,51.5)
  vias: v2(33.85,2.3) v2(33.85,1.7) v2(33.85,1.1) v2(34.45,2.3) v2(34.45,1.7) v2(34.45,1.1) v2(35.05,2.3) v2(35.05,1.7) v2(35.05,1.1)
+D1P8_FPGA: length 16.2
  TOP w0.21: v1(25.5,36.1) C728.1 v1(25.5,37.1) C712.1 v1(25.5,36.1) ; v1(25.5,36.1) C718.1 ; C716.1 v1(31.5,32.1) C724.1 ; C710.1 v1(22.5,36.1) ; v1(22.5,36.1) C709.1 ; v1(22.5,36.1) C722.1 ; C723.1 32.1,31.7 v1(32.5,32.1) 32.1,32.5 C715.1 32.1,32.7 v1(32.5,33.1) ; C711.1 v1(24.5,37.1) ; C713.1 32,34.6 v1(31.5,35.1)
  BOTTOM w0.21: U88.N8 v1(32.5,32.1) ; U88.J17 v1(22.5,36.1) ; U88.J14 v1(25.5,36.1) ; U88.M8 v1(32.5,33.1) ; U88.K9 v1(31.5,35.1) ; C728.1 v1(25.5,37.1) ; C716.1 v1(31.5,32.1) ; C712.1 v1(24.5,37.1)